# Altium PCB ASCII-senoko_pvt1.PcbDoc (part 3 of 3)
Units mm, origin at the board's own origin, x right, y up, seen from the top; angles counter-clockwise.
Board outline 124.5 x 41 mm, 4 copper layers (Top Layer, Internal Plane 1, Internal Plane 2, Bottom Layer), stack 1.671 mm thick; 226 components, 139 nets, 1479 pads, 355 vias.
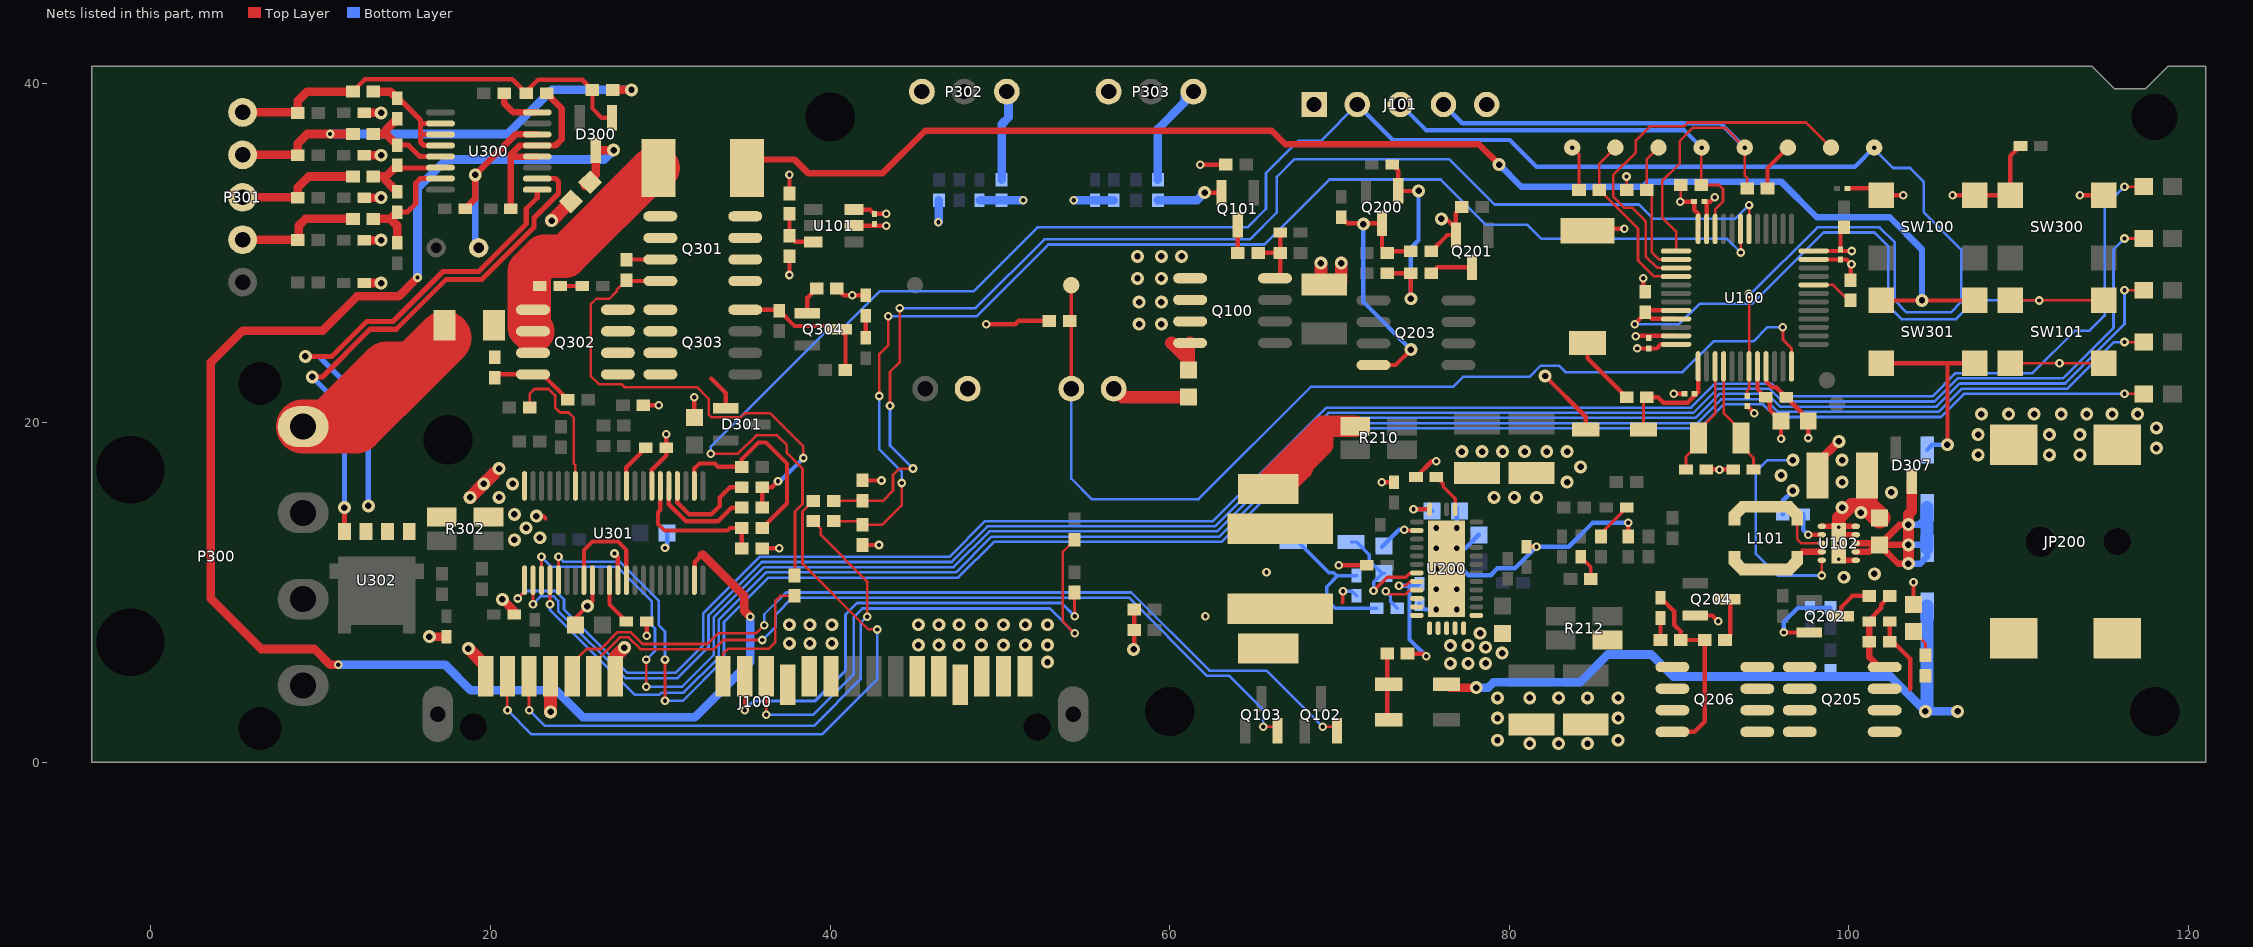
[diagram p5: the nets of this part, all layers, seen from the top]

## Via types
v1: diameter 0.508, hole 0.254, Top Layer to Bottom Layer, tented both sides, 187 vias
v2: diameter 0.762, hole 0.381, Top Layer to Bottom Layer, tented both sides, 155 vias
v3: diameter 0.66, hole 0.33, Top Layer to Bottom Layer, tented top, 9 vias
v4: diameter 0.5, hole 0.2, Top Layer to Bottom Layer, 3 vias
v5: diameter 0.66, hole 0.33, Top Layer to Bottom Layer, tented both sides, 1 vias

## Nets (pads, with @x,y where several pads share a name; then routed paths per layer and width w, separated by ;. In a path a pad name is that pad's centre, name@x,y a point inside that pad or via, vN(x,y) a via of type N, cw(c..) or ccw(c..) an arc to the next point about the centre after c; other vN are vias at no path point) (continued)
GND: C101.2 C102.2 C103.2 C104.2 C108.2 C109.2 C110.2 C111.2 C112.1 C113.1 C114.2 C115.2 C116.1 C117.2 C118.2 C201.2 C203.2 C207.2 C208.2 C209.2 C210.2 C211.2 C213.2 C214.2 C215.2 C217.2 C218.1 C219.2 C222.2 C223.1 C224.2 C303.2 C305.1 C307.2 C312.2 C313.2 C314.2 C315.2 C316.2 C318.2 C319.2 C320.2 C321.2 C322.2 C323.2 C324.2 C325.2 C326.2 J100.4 J100.5 J100.6 J100.10 J100.11 J100.12 J100.16 J100.19 J100.22 J101.5 JP200.2 JP200.3 P101.2 P102.2 P302.1 P303.1 Q101.2 Q201.2 Q202.2 Q204.2 R106.1 R114.1 R116.1 R118.2 R202.2 R203.1 R215.2 R221.2 R302.3 R311.2 R323.2 R330.2 R333.1 R335.1 R336.1 R337.1 SW100.3 SW100.4 SW300.1 SW300.2 TP107.1 U100.8 U100.23 U100.35 U100.47 U101.3 U102.1 U102.4 U102.5 U102.6 U102.11 U200.1 U200.19 U200.32 U200.33 U200.34 U200.35 U301.7 U301.22 U301.31 U301.34 | length 133.5
  Top Layer w0.254: v2(22.7,14.5) 23.1,14.5 23.233,14.367 ; C321.2@25,8.1 25,8.5 26,9.5 U301.31@26,10.725 ; v1(27.3,12.3) 27.5,12.1 U301.34@27.5,10.725 ; R330.2@29,21.025 v1(29.9,21.025) ; v1(29.2,7.45) C322.2@29.2,8.3 ; U301.7@29.5,16.275 29.5,17.225 30.35,18.075 C320.2@30.35,18.525 v1(30.35,19.325) ; C307.2@32,20.3 v1(32,21.5) ; R323.2@36,12.6 v1(37,12.6) ; R118.2@37.6,33.5 v1(37.6,34.6) ; R311.2@40.4,27.9 40.8,27.5 C305.1@42.1,27.5 ; U101.3@41.4,32.55 42.35,32.55 C115.2@42.6,32.3 v1(43.3,32.3) ; v2@62,33.6 v2(62.05,33.55) Q101.2@63.05,33.55 ; v1(69.95,11.6) C218.1@71.6,11.6 ; v1(72.475,16.5) C223.1@73.2,16.5 ; v1(73.8,13.7) 73.85,13.65 U200.19@74.55,13.65 ; C224.2@74.5,16.8 75.425,17.725 v1(75.7,17.725) ; R202.2@75.4,30.1 76.35,31.05 Q201.2@76.85,31.05 ; v2(76,32) 76.3,32 76.7,31.6 76.7,31.2 Q201.2@76.85,31.05 ; R203.1@77.2,32.7 76.85,32.35 Q201.2@76.85,31.05 ; C219.2@81,12.7 v1(81.6,12.7) ; C108.2@84.6,31.3 84.725,31.425 v1(86.775,31.425) ; R221.2@87,13.3 v1(87,14.1) ; v1(87.45,25.1) 87.464,25.114 U100.47@89.817,25.114 ; v1(87.875,28.5) 87.875,27.825 R106.1@88,27.7 ; v1@89.675,21.7 89.682,21.707 C109.2@90.314,21.707 ; Q204.2@90.95,8.65 91.95,8.65 v1(92.3,8.3) ; U100.35@91.617,31.414 91.617,32.883 C103.2@91.48,33.02 91.845,33.02 v1(92.1,33.275) ; C110.2@91.712,17.252 C111.2@93.057,17.252 ; C114.2@94.008,20.982 v1(94.425,20.565) v1@94.425,20.55 ; U100.8@94.617,23.314 94.617,21.983 C112.1@95.1,21.5 95.325,21.275 95.325,20.775 C113.1@96,20.1 v1(96,19.05) ; R114.1@95.2,33.8 95.2,35 TP107.1@96.4,36.2 ; v1(96.15,7.65) Q202.2@97.65,7.65 ; U100.23@97.917,29.614 99.861,29.614 v1(100.15,29.325) 100.1,29.275 R116.1@100.1,28.4 ; C116.1@99.9,33.8 101.5,33.8 SW100.3@101.9,33.4 v1(103.2,33.4) ; C213.2@103.8,9.3 v1(103.8,10.6) ; v1(106.1,33.4) SW100.4@107.4,33.4 SW300.2@109.5,33.4 109.5,35.7 C326.2@110.1,36.3 ; v1(113.6,33.4) SW300.1@115,33.4 SW300.1@114.7,33.7
  Top Layer w0.305: U102.6@98.4,13.9 99.4,13.9 U102.5@100.4,13.9 ; U102.11@99.3,13.4 99.4,13.4 U102.4@100.4,13.4 ; U102.11@99.4,11.9 U102.1@100.4,11.9
  Top Layer w0.508: C314.2@12.55,28.225 v2(13.55,28.225) ; C316.2@12.55,30.75 v2(13.55,30.75) ; C313.2@12.55,33.25 v2(13.55,33.25) ; C315.2@12.55,35.75 v2(13.55,35.75) ; C312.2@12.55,38.25 v2(13.55,38.25) ; v2(16.4,7.4) C319.2@17.4,7.4 ; v2(20.7,9.6) 21.4,8.9 C318.2@21.4,8.7
  Top Layer w0.762: v2(18.7,6.7) 19.725,5.675 J100.22@19.725,5.075 ; v2(18.8,15.6) v2(19.6,16.4) 20.2,17 ; v2(23.535,2.965) J100.19@23.535,5.075 ; v2(23.6,31.9) 24.434,32.734 C303.2@24.434,32.834 ; J100.16@27.345,5.075 27.345,6.219 v2(27.876,6.75) ; P102.2@56.74,22 57.24,21.5 C101.2@61.1,21.5 ; v2(68.9,29.4) 68.9,28.35 C201.2@69.1,28.15 69.95,28.15 70.1,28.3 v2(70.1,29.4)
  Top Layer w0.813: v4(99.4,12.9) 99.4,13.4 v4(99.4,13.85) 99.4,13.9 99.4,14.4 100.15,15.15 101.05,15.15
  Top Layer w1.27: C118.2@101.05,16.9 101.05,15.15 C117.2@101.8,14.4
  Bottom Layer w0.254: v1(30.275,12.625) 30.4,12.75 C323.2@30.4,13.5 ; C215.2@72.5,12.7 73.5,13.7 v1(73.8,13.7) ; C203.2@74.7,9.325 75.025,9 v3(75.7,9) ; v3(76.9,11.4) 77.205,11.4 77.584,11.021 78.9,11.021 79.305,11.425 80.325,11.425 v1(81.6,12.7) 83.5,12.7 84.9,14.1 v1(87,14.1) ; v3(76.9,12.6) 77.4,12.6 C214.2@78.2,13.4 ; v3(76.9,13.8) C222.2@76.9,15 ; v1(96.15,7.65) 96.15,8.25 97,9.1 C217.2@97.7,9.1 R215.2@98.9,9.1
  Bottom Layer w0.508: v1(46.375,31.8) 46.4,31.825 R335.1@46.4,33.1 ; C325.2@48.8,33.1 R336.1@50.1,33.1 v1(51.375,33.1) ; v1(54.35,33.1) C324.2@55.6,33.1 R333.1@56.7,33.1 ; R337.1@59.3,33.1 61.6,33.1 v2(62.05,33.55)
  other v1: 62.1,8.6 65.7,11.2 92.375,17.225 89.678,21.703 41.3,27.5
  other v2: 81.2,1.1 82.9,1.1 84.6,1.1 79.3,1.3 86.4,1.3 79.3,2.6 86.4,2.6 79.3,3.8 81.2,3.8 82.9,3.8 84.6,3.8 86.4,3.8 76.525,5.825 77.575,5.825 78.6,5.825 79.575,6.425 78.6,6.775 76.525,6.875 77.575,6.875 45.2,6.9 46.4,6.9 47.6,6.9 37.6,7 38.8,7 40.1,7 78.275,7.6 37.6,8.1 38.8,8.1 40.1,8.1 45.2,8.1 46.4,8.1 47.6,8.1 25.7,9.2 99.7,10.9 101.5,11.1 21.4,13.1 22.9,13.225 22.1,13.8 21.4,14.6 100.7,14.7 99.6,15 20.5,15.6 79.1,15.6 80.3,15.6 81.6,15.6 102.5,15.9 21.3,16.4 83.4,16.5 99.6,16.5 20.5,17.3 84.2,17.4 99.6,17.8 107.6,18.1 111.8,18.1 113.6,18.1 77.2,18.3 78.4,18.3 79.6,18.3 80.9,18.3 82.2,18.3 83.4,18.3 118.1,18.5 107.6,19.3 111.8,19.3 113.6,19.3 118.1,19.7 107.8,20.5 109.4,20.5 110.9,20.5 112.5,20.5 114,20.5 115.5,20.5 117,20.5
  other v3: 76.9,9 75.7,10.2 76.9,10.2 75.7,11.4 75.7,12.6
  other v4: 99.4,11.95
  other v5: 75.7,13.8
HOST_SMB_SCL: J100.17 Q103.2 | length 47.4
  Top Layer w0.152: J100.17@26.075,5.075 26.075,5.811 27.624,7.36 28.129,7.36 28.826,6.663 33.163,6.663 33.705,7.205 v1(36.005,7.205) ; v1(65.5,2.1) 66.1,2.1 Q103.2@66.35,1.85
  Bottom Layer w0.152: v1(36.005,7.205) 36.8,8 36.8,8.7 37.795,9.695 57.605,9.695 62.205,5.095 63.505,5.095 65.5,3.1 v1(65.5,2.1)
HOST_SMB_SDA: J100.18 Q102.2 | length 51.9
  Top Layer w0.152: J100.18@24.805,5.075 24.805,5.83 25.65,6.675 26.498,6.675 27.488,7.665 28.255,7.665 28.952,6.967 32.767,6.967 33.4,7.6 35.638,7.6 v1(36.119,8.081) ; v1(69,2.1) 69.6,2.1 Q102.2@69.85,1.85
  Bottom Layer w0.152: v1(36.119,8.081) 36.119,8.719 37.4,10 57.731,10 62.331,5.4 65.7,5.4 v1(69,2.1)
HOST_TO_PM_UART: R101.1 R109.1 U100.31 | length 73.2
  Top Layer w0.152: R101.1@40.2,14.2 41.7,14.2 R109.1@41.9,14 43.075,14 44.225,15.15 v1(44.225,16.45) ; v1(42.9,21.575) 42.9,24.05 43.425,24.575 v1(43.425,26.275) ; v1@93.617,30.033 U100.31@93.617,31.414
  Bottom Layer w0.152: v1(42.9,21.575) 42.9,18.425 44.225,17.1 v1(44.225,16.45) ; v1(43.425,26.275) 43.433,26.267 48.62,26.267 52.848,30.495 65.57,30.495 69.4,34.325 75.953,34.325 78.628,31.65 81.075,31.65 81.9,30.825 92.825,30.825 v1(93.625,30.025)
LED1: D306.2 U301.23 | length 116.9
  Top Layer w0.152: v1(21.6,9.65) 22,10.05 U301.23@22,10.725 ; v1@116.2,33.925 v1(116.225,33.9) D306.2@117.35,33.9
  Bottom Layer w0.152: v1(21.6,9.65) 22.037,10.087 23.826,10.087 24.325,9.589 24.325,9.009 28.071,5.263 30.888,5.263 32.531,6.906 32.531,8.781 35.85,12.1 47.025,12.1 49.131,14.206 62.537,14.206 68.97,20.639 69.22,20.889 90.702,20.889 92.118,22.305 95.451,22.305 96.201,21.555 104.905,21.555 106.269,22.919 110.819,22.919 113.325,25.425 114.175,25.425 115.05,26.3 115.05,32.725 v1(116.225,33.9)
LED2: D305.2 U301.24 | length 114
  Top Layer w0.152: v1(22.5,9.3) U301.24@22.5,10.725 ; v1(116.225,30.85) D305.2@117.35,30.85
  Bottom Layer w0.152: v1(22.5,9.3) 22.983,9.783 23.7,9.783 23.983,9.5 23.983,8.92 27.945,4.958 31.014,4.958 32.836,6.78 32.836,8.655 35.976,11.795 47.151,11.795 49.257,13.901 62.663,13.901 69.347,20.585 90.829,20.585 92.244,22 95.325,22 96.075,21.25 105.031,21.25 106.395,22.614 112.602,22.614 115.575,25.587 115.575,30.2 v1(116.225,30.85)
LED3: D304.2 U301.25 | length 115.2
  Top Layer w0.152: U301.25@23,10.725 v1(23,12.1) ; v1(29.175,6.05) v1(29.176,4.45) v1(29.176,4.45) ; v1(116.225,27.8) D304.2@117.35,27.8
  Bottom Layer w0.152: v1(23,12.1) 23.59,11.51 27.473,11.51 29.5,9.482 29.5,8.05 29.683,7.867 29.683,6.558 v1(29.175,6.05) ; v1(29.176,4.45) 31.286,4.45 33.14,6.305 33.14,8.528 36.102,11.49 47.278,11.49 49.383,13.596 62.789,13.596 69.223,20.029 69.473,20.28 90.955,20.28 92.37,21.695 92.623,21.695 95.199,21.695 95.949,20.945 105.157,20.945 106.522,22.31 112.729,22.31 116.225,25.806 v1(116.225,27.8)
LED4: D303.2 U301.26 | length 108.2
  Top Layer w0.152: v1(23.5,9.3) U301.26@23.5,10.725 ; v1(116.225,24.75) D303.2@117.35,24.75
  Bottom Layer w0.152: v1(23.5,9.3) 23.5,8.971 28.504,3.968 29.935,3.968 30.075,4.108 31.375,4.108 33.445,6.178 33.445,8.402 36.229,11.186 47.404,11.186 49.51,13.291 62.916,13.291 69.599,19.975 91.081,19.975 92.496,21.39 95.073,21.39 95.823,20.64 105.284,20.64 106.648,22.005 112.855,22.005 115.6,24.75 v1(116.225,24.75)
LED5: D302.2 U301.27 | length 110.9
  Top Layer w0.152: U301.27@24,10.725 v1(24,12.1) ; v1(30.275,3.625) v1(30.275,6.05) ; v1(116.225,21.7) D302.2@117.35,21.7
  Bottom Layer w0.152: v1(24,12.1) 24.285,11.815 27.599,11.815 29.898,9.515 29.898,8.083 30.275,7.706 v1(30.275,6.05) ; v1(30.275,3.625) 31.323,3.625 33.75,6.052 33.75,8.275 36.356,10.881 47.53,10.881 49.636,12.987 63.042,12.987 69.725,19.67 91.207,19.67 92.623,21.086 94.946,21.086 95.696,20.336 105.41,20.336 106.774,21.7 v1(116.225,21.7)
NetC100_2: C100.2 Q100.4 R104.1 R105.2 | length 4.1
  Top Layer w0.254: R105.2@65.2,30 R104.1@66.5,30 ; Q100.4@66.2,28.505 66.5,28.805 R104.1@66.5,30 ; C100.2@66.5,31.2 R104.1@66.5,30
NetC108_1: C108.1 R107.1 | length 4.2
  Top Layer w0.254: C108.1@84.6,24.7 84.6,23.8 R107.1@86.9,21.5
NetC200_1: C200.1 Q200.1 R200.2 R201.1 | length 12.4
  Top Layer w0.254: R200.2@72.8,28.8 R201.1@74.2,28.8 v2(74.2,27.3) ; C200.1@73.1,35.2 73.45,34.85 Q200.1@73.45,33.65 v2(74.65,33.65) v2@74.7,33.6
  Bottom Layer w0.254: v2(74.2,27.3) 74.2,30.3 74.65,30.75 v2(74.65,33.65)
NetC202_2: C202.2 Q200.3 Q203.4 R202.1 R204.2 | length 17
  Top Layer w0.254: C202.2@70.1,32.1 70.45,31.75 Q200.3@72.5,31.75 72.5,30.3 R204.2@72.8,30 72.9,30.1 R202.1@74.2,30.1 ; Q203.4@72,23.395 73.295,23.395 v2(74.2,24.3)
  Bottom Layer w0.254: v2(71.4,31.7) 71.4,27.1 v2(74.2,24.3)
NetC203_1: C203.1 R207.2 U200.25 | length 8.1
  Top Layer w0.152: v1(73.5,10.4) 73.9,10.4 74.15,10.65 U200.25@74.55,10.65
  Top Layer w0.254: R207.2@74,6.4 74.95,6.4 v1(75.1,6.25)
  Bottom Layer w0.254: v1(73.5,10.4) 74.075,10.4 ; C203.1@74.7,10.525 74.575,10.4 74.075,10.4 ; v1(75.1,6.25) 74.121,7.229 74.121,10.354 74.075,10.4
NetC204_1: C204.1 Q205.4 R205.1 R208.2 | length 5.2
  Top Layer w0.254: C204.1@101.2,8.3 101.2,8.4 101.9,9.1 101.9,9.3 R205.1@102.4,9.8
  Top Layer w0.381: C204.1@101.2,8.3 101.2,6.2 101.795,5.605 Q205.4@102.1,5.605
NetC205_1: C205.1 Q206.4 R206.2 R209.2 | length 11.3
  Top Layer w0.254: C205.1@88.9,9.7 89.7,8.9 89.7,8.1 90.1,7.7 R209.2@90.1,7.2 R206.2@91.5,7.2 91.5,2.4 90.895,1.795 Q206.4@89.6,1.795
NetC205_2: C205.2 Q206.1 Q206.2 Q206.3 R209.1 R212.2 | length 1.2
  Top Layer w0.254: R209.1@88.9,7.2 C205.2@88.9,8.4
NetC206_1: C206.1 D202.2 R211.2 | length 9.4
  Bottom Layer w0.203: D202.2@67.275,12.975 67.575,12.975 69.375,11.175 69.657,11.175 69.832,11 69.9,11 ; C206.1@71,11 69.9,11 ; R211.2@72.2,9.075 69.75,9.075 69.25,9.575 69.25,10.35 69.9,11
NetC206_2: C206.2 L200.1 L200B.1 U200.27 U200.28 U200.29 U200.30 U200.31 | length 1.6
  Top Layer w0.203: 70.15,9.4 70.2,9.45 v1(70.2,10.075)
  Bottom Layer w0.203: v1(70.2,10.075) 70.725,10.075 C206.2@71,9.8
NetC213_1: C213.1 R213.2 | length 1.7
  Top Layer w0.178: C213.1@103.8,7.7 104.5,7 R213.2@104.5,6.3
NetC215_1: C215.1 D202.1 U200.24 | length 7.1
  Top Layer w0.203: v1(72,10.1) 72.808,10.908 73.908,10.908 74.15,11.15 U200.24@74.55,11.15
  Bottom Layer w0.203: D202.1@70.675,12.975 71,12.975 71.75,12.225 71.75,11.875 72.5,11.125 C215.1@72.625,11.125 ; v1(72,10.1) 72,10.6 C215.1@72.5,11.1
NetC220_1: C220.1 R219.1 | length 1.5
  Top Layer w0.203: C220.1@84.2,12.1 84.8,11.5 R219.1@84.8,10.8
NetC224_1: C224.1 U200.14 | length 2.4
  Top Layer w0.203: C224.1@75.7,16.8 76.108,16.392 76.108,16.224 76.8,15.532 U200.14@76.8,14.9
NetC225_1: C225.1 R224.2 | length 2.3
  Top Layer w0.203: R224.2@85.4,13.3 85.4,13.5 C225.1@86.9,15
NetC300_1: C300.1 C301.2 | length 1.3
  Top Layer w0.254: C300.1@24.1,28.05 C301.2@25.4,28.05
NetC300_2: C300.2 F300.2 Q302.1 Q302.2 Q302.3 R300.2 R303.1 | length 13.8
  Top Layer w2.54: Q302.2@22.5,25.385 22.278,25.607 22.278,28.939 23.138,29.8 24.4,29.8 29.6,35 R300.2@29.9,35
NetC302_1: C302.1 C305.2 | length 1.3
  Top Layer w0.254: C302.1@42.1,25 C305.2@42.1,26.3
NetC303_1: C303.1 D300.3 U301.43 | length 94.5
  Top Layer w0.254: U301.43@32,10.725 32.033,10.758 32.033,11.808 32.45,12.225
  Top Layer w0.508: v1(11.025,5.75) 10.55,5.75 9.625,6.675 6.5,6.675 3.525,9.65 3.525,23.55 5.4,25.425 10.125,25.425 12.138,27.438 14.588,27.438 v1(15.7,28.55) ; C303.1@25.566,33.966 26.2,34.6 D300.3@26.2,36.05 v2(27.25,36.05) ; 32.45,12.225 32.512,12.225 34.94,9.797 34.94,8.926 v1(35.3,8.566)
  Bottom Layer w0.508: v1(11.025,5.75) 17.325,5.75 18.825,4.25 23.85,4.25 25.44,2.66 32.035,2.66 35.3,5.925 v1(35.3,8.566) ; v1(15.7,28.55) 15.7,33.8 17.4,35.5 26.7,35.5 v2(27.25,36.05)
NetC310_1: C310.1 R309.2 U300.12 U300.13 | length 11.2
  Top Layer w0.381: C310.1@21.2,32.6 21.2,35.8 ; U300.12@22.75,35.675 21.325,35.675 21.2,35.8 ; R309.2@23.3,39.4 24.2,38.5 24.2,36.7 23.825,36.325 U300.13@22.75,36.325 21.725,36.325 21.2,35.8
NetC320_1: C320.1 U301.10 | length 2.7
  Top Layer w0.254: U301.10@28,16.275 28,17.375 C320.1@29.15,18.525
NetC322_1: C322.1 U301.33 | length 2.8
  Top Layer w0.254: U301.33@27,10.725 27,9.3 C322.1@28,8.3
NetD200_2: D200.2 D201.2 R207.1 | length 3.9
  Top Layer w0.254: R207.1@72.8,6.4 72.8,2.6 D200.2@72.9,2.5
NetD301_1: D301.1 Q301.1 Q301.2 Q301.3 Q302.5 Q302.6 Q302.7 Q302.8 Q303.5 Q303.6 Q303.7 Q303.8 R301.2 | length 4.1
  Top Layer w0.254: R301.2@28,29.6 28.015,29.615 Q301.3@30,29.615 ; 33,22.6 33.85,21.75 D301.1@33.85,20.85
NetD308_1: D308.1 SW301.3 SW301.4 | length 11.6
  Top Layer w0.254: SW301.4@101.9,23.5 105.8,23.5 ; v2(105.8,18.7) 105.8,23.5 ; SW301.3@107.4,23.5 105.8,23.5
  Bottom Layer w0.254: D308.1@104.6,18.4 104.9,18.7 v2(105.8,18.7)
NetJ100_13: J100.13 R115.2 | length 31.7
  Top Layer w0.152: v1(36.235,2.8) J100.13@36.235,5.075 ; v1(54.4,7.6) 53.7,8.3 53.7,12.4 R115.2@54.4,13.1
  Bottom Layer w0.152: v1(36.235,2.8) 39,2.8 41.4,5.2 41.4,8.56 41.9,9.06 52.94,9.06 v1(54.4,7.6)
NetJ100_14: J100.14 R120.2 | length 27.7
  Top Layer w0.178: v1(34.965,3.065) J100.14@34.965,5.075 ; v1(54.4,8.6) R120.2@54.4,10
  Bottom Layer w0.178: v1(34.965,3.065) 35.5,3.6 39.1,3.6 40.9,5.4 40.9,8.7 41.578,9.378 53.622,9.378 v1(54.4,8.6)
NetJ100_15: J100.15 R103.2 | length 8.4
  Top Layer w0.152: J100.15@33.695,5.075 33.695,6.395 34,6.7 36.4,6.7 36.771,7.071 36.771,9.5 37.071,9.8 R103.2@37.9,9.8
NetJ100_20: J100.20 R101.2 | length 33.8
  Top Layer w0.152: J100.20@22.265,5.075 22.265,3.085 v1(22.275,3.075) ; R101.2@39,14.2 39.45,13.75 39.45,13.375 42.175,10.65 v1(42.175,8.575)
  Bottom Layer w0.152: v1(22.275,3.075) 23.2,2.15 39.05,2.15 41.8,4.9 41.8,8.2 v1(42.175,8.575)
NetJ100_21: J100.21 R100.2 | length 38.6
  Top Layer w0.152: J100.21@20.995,5.075 20.995,3.08 v1(21,3.075) ; R100.2@39,15.4 38.371,14.771 38.371,11.696 42.243,7.825 v1(42.775,7.825)
  Bottom Layer w0.152: v1(21,3.075) 22.425,1.65 39.525,1.65 42.775,4.9 v1(42.775,7.825)
NetL101_1: L101.1 U102.9 | length 1.6
  Top Layer w0.381: L101.1@96.95,12.075 97.275,12.4 U102.9@98.4,12.4
NetL200_2: L200.2 L200B.2 R210.2 | length 14.1
  Top Layer w0.254: L200.2@65.8,16.1 66.6,16.9 66.6,17.4
  Top Layer w1.27: L200.2@65.8,16.1 65.8,16.6 66.6,17.4 69,19.8 ; L200.2@66.6,16.9 66.6,16.1 67.8,17.3 67.8,17.5 69,18.7 69,19.8 ; R210.2@70.925,19.8 69,19.8
NetP302_3: P302.3 R336.2 | length 5.5
  Bottom Layer w0.508: P302.3@50.08,39.5 50.5,39.08 50.5,37.98 50.1,37.58 R336.2@50.1,34.3
NetP303_3: P303.3 R337.2 | length 5.7
  Bottom Layer w0.508: R337.2@59.3,34.3 59.3,37.3 60.9,38.9 P303.3@60.9,39.3
NetQ101_3: Q101.3 R105.1 | length 1.6
  Top Layer w0.254: R105.1@64,30 Q101.3@64,31.65
NetQ201_3: Q201.3 R201.2 | length 2.5
  Top Layer w0.254: R201.2@75.4,28.8 75.75,29.15 Q201.3@77.8,29.15
NetQ202_3: Q202.3 R205.2 | length 2.5
  Top Layer w0.254: Q202.3@99.55,8.6 99.55,9.15 100.2,9.8 R205.2@101.2,9.8
NetQ204_3: Q204.3 R206.1 | length 2.7
  Top Layer w0.254: R206.1@92.6,7.3 R206.1@92.7,7.2 93,7.5 93,9.45 Q204.3@92.85,9.6
NetQ205_5: Q205.5 Q205.6 Q205.7 Q205.8 Q206.5 Q206.6 Q206.7 Q206.8
NetQ301_4: Q301.4 R301.1 R320.1 R321.1 | length 29
  Top Layer w0.152: R301.1@28,28.4 27.425,27.825 27.425,27.725 27,27.3 26.225,27.3 25.9,26.975 25.9,22.75 26.375,22.275 27.702,22.275 27.877,22.1 32.15,22.1 32.85,21.4 32.85,20.477 33.005,20.321 34.746,20.321 34.975,20.55 36.473,20.55 38.425,18.598 v1(38.425,17.925)
  Top Layer w0.254: R301.1@28,28.4 28.055,28.345 Q301.4@30,28.345 ; R321.1@36,15 R320.1@36,16.2 36.575,16.2 v1(36.925,16.55)
  Bottom Layer w0.254: v1(36.925,16.55) 37.05,16.55 v1(38.425,17.925)
NetQ301_5: Q301.5 Q301.6 Q301.7 Q301.8 R300.1 SW301.1 SW301.2 | length 82.4
  Top Layer w0.254: SW301.2@101.9,27.2 SW301.1@107.4,27.2
  Top Layer w0.381: R300.1@35.1,35 35.4,35 35.9,35.5 37.9,35.5 38.7,34.7 43.1,34.7 45.6,37.2 66,37.2 66.8,36.4 78.2,36.4 v2(79.4,35.2)
  Bottom Layer w0.381: v2(79.4,35.2) 80.7,33.9 87.9,33.9 88.2,34.2 96,34.2 98.1,32.1 102.4,32.1 104.3,30.2 v2(104.3,27.2)
NetQ302_4: Q302.4 R303.2 R307.1 | length 5
  Top Layer w0.254: R303.2@20.25,22.65 20.445,22.845 Q302.4@22.5,22.845 23.065,22.845 24.55,21.36 R307.1@24.55,21.35
NetQ303_4: Q303.4 Q304.3 R304.1 R308.1 | length 8.6
  Top Layer w0.254: Q303.4@35,26.655 36.945,26.655 R304.1@37,26.6 37.9,25.7 40.35,25.7 Q304.3@40.55,25.5 40.9,25.15 R308.1@40.9,23.1
NetQ304_1: Q304.1 R311.1 | length 1.7
  Top Layer w0.254: Q304.1@38.65,26.45 38.65,27.35 R311.1@39.2,27.9
NetR102_2: R102.2 U102.7 | length 2.1
  Top Layer w0.254: v1(97.6,13.4) U102.7@98.4,13.4
  Bottom Layer w0.254: R102.2@97.3,14.6 97.3,13.7 v1(97.6,13.4)
NetR116_2: R116.2 U100.20 | length 2.6
  Top Layer w0.152: U100.20@97.917,28.114 99.061,28.114 99.975,27.2 R116.2@100.1,27.2
NetR117_2: R117.2 R118.1 U101.6 | length 2.8
  Top Layer w0.254: R118.1@37.6,32.3 R117.2@37.6,31 37.95,30.65 U101.6@39,30.65
NetR211_1: R211.1 U200.26 | length 3.3
  Top Layer w0.152: v1(72.725,10.075) 72.9,9.9 73.9,9.9 74.15,10.15 U200.26@74.55,10.15
  Bottom Layer w0.203: v1(72.725,10.075) 73,9.8 73,9.475 R211.1@73.4,9.075
NetR319_2: R319.2 R322.2 U301.2 | length 12.5
  Top Layer w0.254: U301.2@32,16.275 32,17.3 32.3,17.6 33.2,17.6 33.4,17.4 R319.2@34.8,17.4 34.8,17.854 35.779,18.833 36.221,18.833 37.458,17.596 37.458,15.258 R322.2@36,13.8
NetR320_2: R320.2 U301.4 | length 6
  Top Layer w0.254: U301.4@31,16.275 31,15.3 31.7,14.6 33,14.6 33.5,15.1 33.5,15.6 34.1,16.2 R320.2@34.8,16.2
NetR321_2: R321.2 U301.5 | length 6.1
  Top Layer w0.254: U301.5@30.5,16.275 30.5,15.2 31.506,14.194 33.394,14.194 34.2,15 R321.2@34.8,15
NetR322_1: R322.1 R323.1 U301.6 | length 8.7
  Top Layer w0.254: U301.6@30,16.275 30,14.854 29.867,14.721 29.867,14.033 30.25,13.65 33.95,13.65 34.1,13.8 R322.1@34.8,13.8 R323.1@34.8,12.6
NetR338_2: R338.2 U301.16 | length 8.7
  Top Layer w0.152: R338.2@22.3,20.9 22.3,21.7 22.583,21.983 23.425,21.983 23.8,21.607 23.8,20.9 24.1,20.6 24.6,20.6 24.9,20.3 24.9,17.6 25,17.5 U301.16@25,16.275
NetR339_1: R339.1 U300.16 | length 2.8
  Top Layer w0.381: R339.1@20.8,39.4 20.8,38.8 21.325,38.275 U300.16@22.75,38.275
NetU301_30: U301.30 U301.35 | length 6.5
  Top Layer w0.254: U301.30@25.5,10.725 25.5,12.5 26,13 27.5,13 28,12.5 U301.35@28,10.725
P2_CD: C309.1 J300.1 U300.14 | length 11.3